# Altium PCB Copy of DIOT_temperature_logger.PcbDoc (part 2 of 7)
Units mm, origin at the board's own origin, x right, y up, seen from the top; angles counter-clockwise.
Board outline 301.1 x 109.1 mm, 4 copper layers (TOP, MID1, MID2, BOT), stack 1.564 mm thick; 651 components, 619 nets, 2526 pads, 1345 vias.
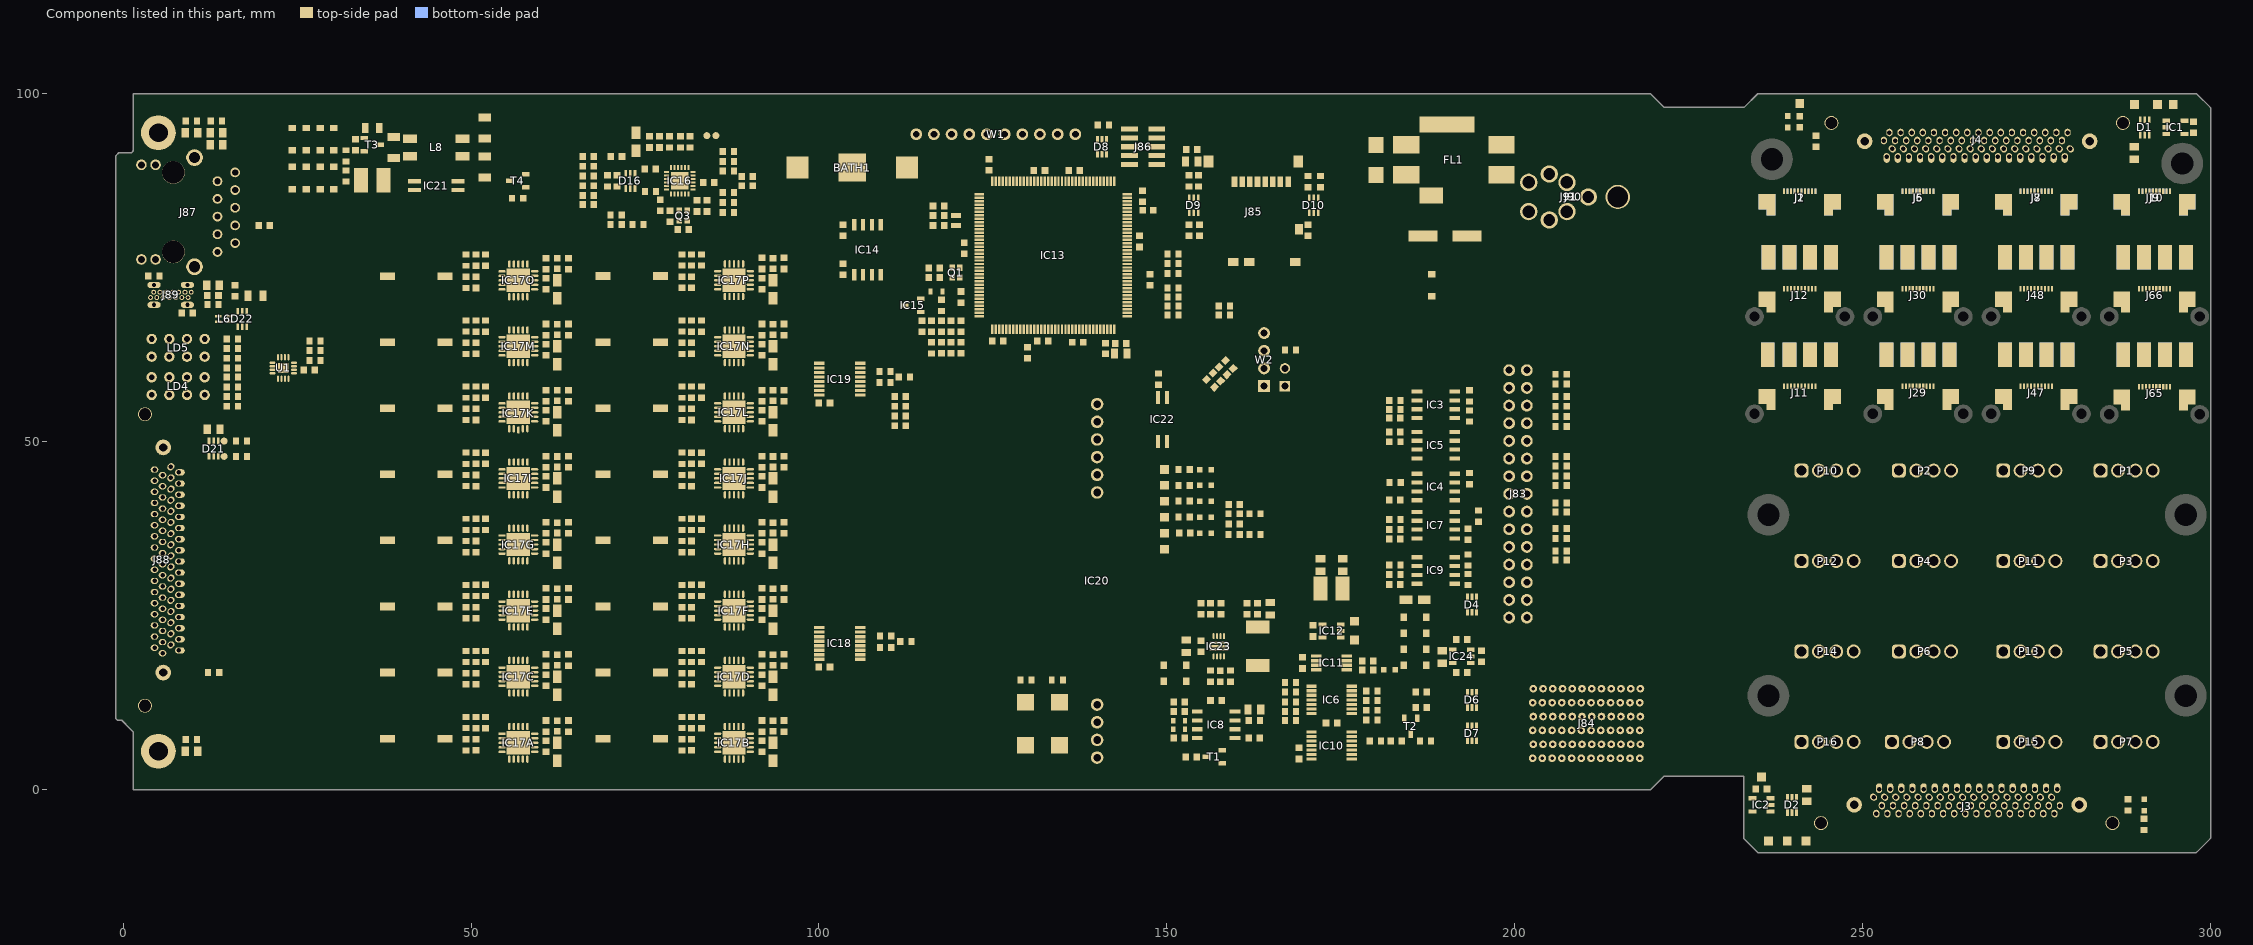
[diagram p4: the components of this part, seen from the top]

## Components (designator, comment, footprint, x,y, rotation, side; value= is the part's Value field where it differs from the comment) (continued)
J6 "FFC/FPC" MOLEX_52745-1097 258,86 r180 bottom
J7 "FFC/FPC" MOLEX_52745-1097 275,86 r0 top
J8 "FFC/FPC" MOLEX_52745-1097 275,86 r180 bottom
J9 "FFC/FPC" MOLEX_52745-1097 292,86 r0 top
J10 "FFC/FPC" MOLEX_52745-1097 292,86 r180 bottom
J11 "FFC/FPC" MOLEX_52745-1097 241,58 r0 top
J12 "FFC/FPC" MOLEX_52745-1097 241,72 r0 top
J13 "SMD Pad" R350X200 236.4,62.5 r270 bottom net-tie
J14 "SMD Pad" R350X200 236.5,76.5 r90 bottom net-tie
J15 "SMD Pad" R350X200 239.5,62.5 r270 bottom net-tie
J16 "SMD Pad" R350X200 239.5,76.5 r90 bottom net-tie
J17 "SMD Pad" R350X200 242.5,62.5 r270 bottom net-tie
J18 "SMD Pad" R350X200 242.5,76.5 r90 bottom net-tie
J19 "SMD Pad" R350X200 245.5,62.5 r270 bottom net-tie
J20 "SMD Pad" R350X200 245.5,76.5 r90 bottom net-tie
J21 "SMD Pad" R350X200 236.4,62.5 r90 top net-tie
J22 "SMD Pad" R350X200 236.5,76.5 r90 top net-tie
J23 "SMD Pad" R350X200 239.5,62.5 r90 top net-tie
J24 "SMD Pad" R350X200 239.5,76.5 r90 top net-tie
J25 "SMD Pad" R350X200 242.5,62.5 r90 top net-tie
J26 "SMD Pad" R350X200 242.5,76.5 r90 top net-tie
J27 "SMD Pad" R350X200 245.5,62.5 r90 top net-tie
J28 "SMD Pad" R350X200 245.5,76.5 r90 top net-tie
J29 "FFC/FPC" MOLEX_52745-1097 258,58 r0 top
J30 "FFC/FPC" MOLEX_52745-1097 258,72 r0 top
J31 "SMD Pad" R350X200 253.5,62.5 r270 bottom net-tie
J32 "SMD Pad" R350X200 253.5,76.5 r90 bottom net-tie
J33 "SMD Pad" R350X200 256.5,62.5 r270 bottom net-tie
J34 "SMD Pad" R350X200 256.5,76.5 r90 bottom net-tie
J35 "SMD Pad" R350X200 259.5,62.5 r270 bottom net-tie
J36 "SMD Pad" R350X200 259.5,76.5 r90 bottom net-tie
J37 "SMD Pad" R350X200 262.5,62.5 r270 bottom net-tie
J38 "SMD Pad" R350X200 262.5,76.5 r90 bottom net-tie
J39 "SMD Pad" R350X200 253.5,62.5 r90 top net-tie
J40 "SMD Pad" R350X200 253.5,76.5 r90 top net-tie
J41 "SMD Pad" R350X200 256.5,62.5 r90 top net-tie
J42 "SMD Pad" R350X200 256.5,76.5 r90 top net-tie
J43 "SMD Pad" R350X200 259.5,62.5 r90 top net-tie
J44 "SMD Pad" R350X200 259.5,76.5 r90 top net-tie
J45 "SMD Pad" R350X200 262.5,62.5 r90 top net-tie
J46 "SMD Pad" R350X200 262.5,76.5 r90 top net-tie
J47 "FFC/FPC" MOLEX_52745-1097 275,58 r0 top
J48 "FFC/FPC" MOLEX_52745-1097 275,72 r0 top
J49 "SMD Pad" R350X200 270.5,62.5 r270 bottom net-tie
J50 "SMD Pad" R350X200 270.5,76.5 r90 bottom net-tie
J51 "SMD Pad" R350X200 273.5,62.5 r270 bottom net-tie
J52 "SMD Pad" R350X200 273.5,76.5 r90 bottom net-tie
J53 "SMD Pad" R350X200 276.5,62.5 r270 bottom net-tie
J54 "SMD Pad" R350X200 276.5,76.5 r90 bottom net-tie
J55 "SMD Pad" R350X200 279.5,62.5 r270 bottom net-tie
J56 "SMD Pad" R350X200 279.5,76.5 r90 bottom net-tie
J57 "SMD Pad" R350X200 270.5,62.5 r90 top net-tie
J58 "SMD Pad" R350X200 270.5,76.5 r90 top net-tie
J59 "SMD Pad" R350X200 273.5,62.5 r90 top net-tie
J60 "SMD Pad" R350X200 273.5,76.5 r90 top net-tie
J61 "SMD Pad" R350X200 276.5,62.5 r90 top net-tie
J62 "SMD Pad" R350X200 276.5,76.5 r90 top net-tie
J63 "SMD Pad" R350X200 279.5,62.5 r90 top net-tie
J64 "SMD Pad" R350X200 279.5,76.5 r90 top net-tie
J65 "FFC/FPC" MOLEX_52745-1097 292,57.925 r0 top
J66 "FFC/FPC" MOLEX_52745-1097 292,72 r0 top
J67 "SMD Pad" R350X200 287.5,62.5 r90 bottom net-tie
J68 "SMD Pad" R350X200 287.5,76.5 r90 bottom net-tie
J69 "SMD Pad" R350X200 290.5,62.5 r90 bottom net-tie
J70 "SMD Pad" R350X200 290.5,76.5 r90 bottom net-tie
J71 "SMD Pad" R350X200 293.5,62.5 r90 bottom net-tie
J72 "SMD Pad" R350X200 293.5,76.5 r90 bottom net-tie
J73 "SMD Pad" R350X200 296.5,62.5 r90 bottom net-tie
J74 "SMD Pad" R350X200 296.5,76.5 r90 bottom net-tie
J75 "SMD Pad" R350X200 287.5,62.5 r270 top net-tie
J76 "SMD Pad" R350X200 287.5,76.5 r90 top net-tie
J77 "SMD Pad" R350X200 290.5,62.5 r270 top net-tie
J78 "SMD Pad" R350X200 290.5,76.5 r90 top net-tie
J79 "SMD Pad" R350X200 293.5,62.5 r270 top net-tie
J80 "SMD Pad" R350X200 293.5,76.5 r90 top net-tie
J81 "SMD Pad" R350X200 296.5,62.5 r270 top net-tie
J82 "SMD Pad" R350X200 296.5,76.5 r90 top net-tie
J83 "Header 30" 3M_N2530-6002RB 200.5,42.5 r270 top locked
J84 "AirMax VS" AMPHENOL_10052825-101LF 210.35,9.5 r90 top locked
J85 "microSD" MOLEX_502570-0893 163.6,87.4 r0 top locked
J86 "Header 10" HARWIN_M50-3600542 146.6,92.4 r90 top
J87 "RJ45" ABRACON_ARJM11C7-114-BA-EW2 7.2,83 r270 top locked
J88 "DNP" MOLEX_71430-0013 6.25,33 r90 top
J89 "USB 2.0" KYCON_KUSBX-SL-CS1N14-B 6.63,71.11 r270 top
J90 "Mini-Fit Jr.™" MOLEX_39-30-0040 204.791,85.185 r270 top
J91 "Jack" SWITCHCRAFT_L712RA 204.997,81.885 r180 top
JP1 "1798942 (goldpin 2x 2.54)" jump 167,58 r180 top locked
L1 "220R@100MHz" INDC1608X95N 117.6,63.5 r90 top
L2 "220R@100MHz" INDC1608X95N 117.6,66.6 r270 top
L3 "220R@100MHz" INDC1608X95N 77.075,93.1 r270 top
L4A "220R@100MHz" INDC1608X95N 64,9.125 r90 top (schematic designator L4)
L4B "220R@100MHz" INDC1608X95N 95,9.125 r90 top (schematic designator L4)
L4C "220R@100MHz" INDC1608X95N 64,18.625 r90 top (schematic designator L4)
L4D "220R@100MHz" INDC1608X95N 95,18.625 r90 top (schematic designator L4)
L4E "220R@100MHz" INDC1608X95N 64,28.125 r90 top (schematic designator L4)
L4F "220R@100MHz" INDC1608X95N 95,28.125 r90 top (schematic designator L4)
L4G "220R@100MHz" INDC1608X95N 64,37.625 r90 top (schematic designator L4)
L4H "220R@100MHz" INDC1608X95N 95,37.625 r90 top (schematic designator L4)
L4I "220R@100MHz" INDC1608X95N 64,47.125 r90 top (schematic designator L4)
L4J "220R@100MHz" INDC1608X95N 95,47.125 r90 top (schematic designator L4)
L4K "220R@100MHz" INDC1608X95N 64,56.625 r90 top (schematic designator L4)
L4L "220R@100MHz" INDC1608X95N 95,56.625 r90 top (schematic designator L4)
L4M "220R@100MHz" INDC1608X95N 64,66.125 r90 top (schematic designator L4)
L4N "220R@100MHz" INDC1608X95N 95,66.125 r90 top (schematic designator L4)
L4O "220R@100MHz" INDC1608X95N 64,75.6 r90 top (schematic designator L4)
L4P "220R@100MHz" INDC1608X95N 95,75.625 r90 top (schematic designator L4)
L5 "220R@100MHz" INDC1608X95N 12.9,71 r180 top
L6 "90R@100MHz" IND_MURATA_DLW21S 14.5,67.65 r0 top
L7 "10uH" IND_MURATA-PS_8400 35.8,87.6 r0 top
L8 "2x1mH" IND_WURTH_WE-SL2 45,92.3 r0 top
L9 "10uH" IND_MURATA-PS_8400 173.7,28.9 r0 top
L10 "1.5uH" IND_TDK_SPM6530 163.1,20.6 r90 top
LD1 "Green" LED_KINGBRIGHT_KPH-1608CGCK 239.3,96 r270 top
LD2 "Green" LED_KINGBRIGHT_KPH-1608CGCK 290.5,-2.2 r270 top
LD3 "Red" LED_KINGBRIGHT_KPH-1608SURCK 182,17.2 r0 top
LD4 "Green/Green/HeRed/HeRed" LED_BIVAR_H485CHHGGDL 7.9,58 r0 top
LD5 "Green/Green/HeRed/HeRed" LED_BIVAR_H485CHHGGDL 7.9,63.5 r0 top
LD6 "Green" LED_KINGBRIGHT_KPH-1608CGCK 155.6,46 r180 top
LD7 "Green" LED_KINGBRIGHT_KPH-1608CGCK 155.6,36.85 r180 top
LD8 "Green" LED_KINGBRIGHT_KPH-1608CGCK 155.6,43.75 r180 top
LD9 "Green" LED_KINGBRIGHT_KPH-1608CGCK 155.6,41.45 r180 top
LD10 "Green" LED_KINGBRIGHT_KPH-1608CGCK 155.6,39.15 r180 top
P1 "691382000004" 691382000004 288,46 r0 top
P2 "691382000004" 691382000004 259,46 r0 top
P3 "691382000004" 691382000004 288,33 r0 top
P4 "691382000004" 691382000004 259,33 r0 top
P5 "691382000004" 691382000004 288,20 r0 top
P6 "691382000004" 691382000004 259,20 r0 top
P7 "691382000004" 691382000004 288,7 r0 top
P8 "691382000004" 691382000004 258,7 r0 top locked
P9 "691382000004" 691382000004 274,46 r0 top
P10 "691382000004" 691382000004 245,46 r0 top
P11 "691382000004" 691382000004 274,33 r0 top
P12 "691382000004" 691382000004 245,33 r0 top
P13 "691382000004" 691382000004 274,20 r0 top
P14 "691382000004" 691382000004 245,20 r0 top
P15 "691382000004" 691382000004 274,7 r0 top
P16 "691382000004" 691382000004 245,7 r0 top locked
Q1 "25MHz" XTAL_TXC_8Y 119.7,74.3 r0 top
Q2 "32.768kHz" XTAL_ABRACON_ABS06 119.7,81.8 r90 top
Q3 "25MHz" XTAL_TXC_8Y 80.5,82.5 r0 top
R1 "1k" RESC1608X55N 241,96 r90 top
R2 "0" RESC1608X55N 288.175,-2.2 r90 top
R3 "0" RESC1608X55N 243.325,93.2 r270 top
R4 "1k" RESC1608X55N 290.5,-5 r270 top
R5 "0" RESC1608X55N 206.7,59.7 r180 top
R6 "0" RESC1608X55N 206.7,58.3 r180 top
R7 "100" RESC1608X55N 193.5,53.7 r90 top
R8 "0" RESC1608X55N 206.7,56.5 r180 top
R9 "100" RESC1608X55N 182.8,54.665 r0 top
R10 "0" RESC1608X55N 206.7,55.1 r180 top
R11 "100" RESC1608X55N 193.5,56.6 r90 top
R12 "0" RESC1608X55N 206.7,53.6 r180 top
R13 "100" RESC1608X55N 182.8,55.935 r0 top
R14 "0" RESC1608X55N 206.7,52.2 r180 top
R15 "0" RESC1608X55N 206.7,47.9 r180 top
R16 "0" RESC1608X55N 206.7,46.5 r180 top
R17 "0" RESC1608X55N 206.7,45.1 r180 top
R18 "0" RESC1608X55N 206.7,43.7 r180 top
R19 "0" RESC1608X55N 206.7,41.2 r180 top
R20 "0" RESC1608X55N 206.7,39.9 r180 top
R21 "100" RESC1608X55N 193.5,44.7 r90 top
R22 "100" RESC1608X55N 182.835,44.135 r0 top
R23 "0" RESC1608X55N 206.7,37.5 r180 top
R24 "0" RESC1608X55N 206.7,36.1 r180 top
R25 "0" RESC1608X55N 206.7,34.3 r180 top
R26 "0" RESC1608X55N 206.7,33 r180 top
R27 "100" RESC1608X55N 182.8,50 r0 top
R28 "10k" RESC1608X55N 167.8,14 r180 top
R29 "100" RESC1608X55N 193.3,36.7 r90 top
R30 "10k" RESC1608X55N 167.8,9.9 r0 top
R31 "100" RESC1608X55N 182.8,37.4 r0 top
R32 "0" RESC1608X55N 151.8,7.4 r0 top
R33 "0" RESC1608X55N 153.525,4.7 r180 top
R34 "100" RESC1608X55N 194.8,39.3 r90 top
R35 "2k7" RESC1608X55N 162.6,9.9 r180 top
R36 "100" RESC1608X55N 182.8,38.8 r0 top
R37 "10k" RESC1608X55N 179.5,11.4 r0 top
R38 "10k" RESC1608X55N 179.5,10 r0 top
R39 "10k" RESC1608X55N 151.8,12.6 r180 top
R40 "10k" RESC1608X55N 167.8,11.2 r0 top
R41 "100" RESC1608X55N 193.3,30.2 r90 top
R42 "100" RESC1608X55N 182.8,30.9 r0 top
R43 "2k7" RESC1608X55N 167.8,15.4 r0 top
R44 "100" RESC1608X55N 193.3,33 r90 top
R45 "100" RESC1608X55N 182.8,32.3 r0 top
R46 "10k" RESC1608X55N 179.5,12.8 r180 top
R47 "33" RESC1608X55N 179.5,14.2 r180 top
R48 "33" RESC1608X55N 167.8,12.6 r0 top
R49 "33" RESC1608X55N 186.6,14 r180 top
R50 "100" RESC1608X55N 180,7 r180 top
R51 "100" RESC1608X55N 183,7 r180 top
R52 "33" RESC1608X55N 187.2,7 r180 top
R53 "33" RESC1608X55N 186.6,11.8 r180 top
R54 "49k9" RESC1608X55N 178.9,18.5 r0 top
R55 "1k" RESC1608X55N 178.9,17.2 r0 top
R56 "10k" RESC1608X55N 167.8,63.2 r180 top
R57 "10k" RESC1608X55N 162.7,36.65 r0 top
R58 "2k7" RESC1608X55N 159.7,36.65 r0 top
R59 "2k7" RESC1608X55N 150.9,68.2 r0 top
R60 "2k7" RESC1608X55N 150.9,69.5 r0 top
R61 "2k7" RESC1608X55N 150.9,70.8 r0 top
R62 "2k7" RESC1608X55N 150.9,72.1 r0 top
R63 "2k7" RESC1608X55N 162.7,39.65 r0 top
R64 "10k" RESC1608X55N 130,62.8 r270 top
R65 "10k" RESC1608X55N 159.7,39.65 r0 top
R66 "10k" RESC1608X55N 154.6,87.5 r90 top
R67 "10k" RESC1608X55N 153.2,87.5 r90 top
R68 "10k" RESC1608X55N 153.2,80.4 r270 top
R69 "10k" RESC1608X55N 170.3,80.4 r270 top
R70 "10k" RESC1608X55N 172.1,87.4 r90 top
R71 "10k" RESC1608X55N 170.3,87.4 r90 top
R72 "10k" RESC1608X55N 154.7,80.4 r270 top
R73 "10k" RESC1608X55N 27.575,61.7 r180 top
R74 "10k" RESC1608X55N 27.575,63.1 r180 top
R75 "10k" RESC1608X55N 27.575,64.5 r180 top
R76 "10k" RESC1608X55N 103.5,74.8 r90 top
R77 "10k" RESC1608X55N 140.9,95.5 r180 top
R78 "1k" RESC1608X55N 15.7,55.1 r180 top
R79 "10k" RESC1608X55N 17,47.9 r180 top
R80 "10k" RESC1608X55N 17,50.1 r180 top
R81 "1k" RESC1608X55N 15.7,56.5 r180 top
R82 "1k" RESC1608X55N 15.7,57.9 r180 top
R83 "1k" RESC1608X55N 15.7,59.3 r180 top
R84 "1k" RESC1608X55N 15.7,60.6 r180 top
R85 "1k" RESC1608X55N 15.7,62 r180 top
R86 "33" RESC1608X55N 116.2,63.5 r270 top
R87 "1k" RESC1608X55N 15.7,63.4 r180 top
R88 "1k" RESC1608X55N 15.7,64.8 r180 top
R89 "10k" RESC1608X55N 117.6,69.6 r270 top
R90 "100" RESC1608X55N 158.3,68.2 r0 top
R91 "100" RESC1608X55N 158.3,69.5 r0 top
R92 "10k" RESC1608X55N 87,90.3 r0 top
R93 "10k" RESC1608X55N 87,82.975 r0 top
R94 "10k" RESC1608X55N 89.7,86.8 r0 top
R95 "442" RESC1608X55N 70.85,82.6 r0 top
R96 "33" RESC1608X55N 66.85,88.2 r180 top
R97 "33" RESC1608X55N 66.85,89.6 r180 top
R98 "33" RESC1608X55N 87,85.8 r180 top
R99 "0" RESC1608X55N 13.4,96.1 r180 top
R100 "33" RESC1608X55N 87,84.4 r180 top
R101 "33" RESC1608X55N 66.85,85.4 r180 top
R102 "10k" RESC1608X55N 89.7,88.1 r180 top
R103 "33" RESC1608X55N 66.85,86.8 r180 top
R104 "12k1" RESC1608X55N 75.8,86 r180 top
R105 "33" RESC1608X55N 87,88.9 r180 top
R106 "10k" RESC1608X55N 70.85,81.2 r0 top
R107 "1k5" RESC1608X55N 87,91.7 r180 top
R108 "10k" RESC1608X55N 80.1,93.1 r270 top
R109 "33" RESC1608X55N 81.5,93.1 r270 top
R110 "10k" RESC1608X55N 78.5,93.1 r270 top
R111 "442" RESC1608X55N 74,81.2 r0 top
R112 "49k9" RESC1608X55N 69.6,87.5 r90 top
R113 "49k9" RESC1608X55N 66.85,84.1 r180 top
R114 "49k9" RESC1608X55N 71,87.5 r270 top
R115 "49k9" RESC1608X55N 66.85,91 r180 top
R116A "442" RESC1608X55N 50.7,9.625 r270 top (schematic designator R116)
R116B "442" RESC1608X55N 81.7,9.625 r270 top (schematic designator R116)
R116C "442" RESC1608X55N 50.7,19.125 r270 top (schematic designator R116)
R116D "442" RESC1608X55N 81.7,19.125 r270 top (schematic designator R116)
R116E "442" RESC1608X55N 50.7,28.625 r270 top (schematic designator R116)
R116F "442" RESC1608X55N 81.7,28.625 r270 top (schematic designator R116)
R116G "442" RESC1608X55N 50.7,38.125 r270 top (schematic designator R116)
R116H "442" RESC1608X55N 81.7,38.125 r270 top (schematic designator R116)
R116I "442" RESC1608X55N 50.7,47.625 r270 top (schematic designator R116)
R116J "442" RESC1608X55N 81.7,47.625 r270 top (schematic designator R116)
R116K "442" RESC1608X55N 50.7,57.125 r270 top (schematic designator R116)
R116L "442" RESC1608X55N 81.7,57.125 r270 top (schematic designator R116)
R116M "442" RESC1608X55N 50.7,66.625 r270 top (schematic designator R116)
R116N "442" RESC1608X55N 81.7,66.625 r270 top (schematic designator R116)
R116O "442" RESC1608X55N 50.7,76.1 r270 top (schematic designator R116)
R116P "442" RESC1608X55N 81.7,76.125 r270 top (schematic designator R116)
R117A "22k" RESC1608X64N 49.3,9.625 r270 top (schematic designator R117)
R117B "22k" RESC1608X64N 80.3,9.625 r270 top (schematic designator R117)
R117C "22k" RESC1608X64N 49.3,19.125 r270 top (schematic designator R117)
R117D "22k" RESC1608X64N 80.3,19.125 r270 top (schematic designator R117)
R117E "22k" RESC1608X64N 49.3,28.625 r270 top (schematic designator R117)
R117F "22k" RESC1608X64N 80.3,28.625 r270 top (schematic designator R117)
R117G "22k" RESC1608X64N 49.3,38.125 r270 top (schematic designator R117)
R117H "22k" RESC1608X64N 80.3,38.125 r270 top (schematic designator R117)
R117I "22k" RESC1608X64N 49.3,47.625 r270 top (schematic designator R117)
R117J "22k" RESC1608X64N 80.3,47.625 r270 top (schematic designator R117)
R117K "22k" RESC1608X64N 49.3,57.125 r270 top (schematic designator R117)
R117L "22k" RESC1608X64N 80.3,57.125 r270 top (schematic designator R117)
R117M "22k" RESC1608X64N 49.3,66.625 r270 top (schematic designator R117)
R117N "22k" RESC1608X64N 80.3,66.625 r270 top (schematic designator R117)
R117O "22k" RESC1608X64N 49.3,76.1 r270 top (schematic designator R117)
R117P "22k" RESC1608X64N 80.3,76.125 r270 top (schematic designator R117)
R118A "3k92" RESC1608X55N 52.1,9.625 r270 top (schematic designator R118)
R118B "3k92" RESC1608X55N 83.1,9.625 r270 top (schematic designator R118)
R118C "3k92" RESC1608X55N 52.1,19.125 r270 top (schematic designator R118)
R118D "3k92" RESC1608X55N 83.1,19.125 r270 top (schematic designator R118)
R118E "3k92" RESC1608X55N 52.1,28.625 r270 top (schematic designator R118)
R118F "3k92" RESC1608X55N 83.1,28.625 r270 top (schematic designator R118)
R118G "3k92" RESC1608X55N 52.1,38.125 r270 top (schematic designator R118)
R118H "3k92" RESC1608X55N 83.1,38.125 r270 top (schematic designator R118)
R118I "3k92" RESC1608X55N 52.1,47.625 r270 top (schematic designator R118)
R118J "3k92" RESC1608X55N 83.1,47.625 r270 top (schematic designator R118)
R118K "3k92" RESC1608X55N 52.1,57.125 r270 top (schematic designator R118)
R118L "3k92" RESC1608X55N 83.1,57.125 r270 top (schematic designator R118)
R118M "3k92" RESC1608X55N 52.1,66.625 r270 top (schematic designator R118)
R118N "3k92" RESC1608X55N 83.1,66.625 r270 top (schematic designator R118)
R118O "3k92" RESC1608X55N 52.1,76.1 r270 top (schematic designator R118)
R118P "3k92" RESC1608X55N 83.1,76.125 r270 top (schematic designator R118)
R119A "10M" RESC1608X55N 49.3,6.425 r270 top (schematic designator R119)
R119B "10M" RESC1608X55N 80.3,6.425 r270 top (schematic designator R119)
R119C "10M" RESC1608X55N 49.3,15.925 r270 top (schematic designator R119)
R119D "10M" RESC1608X55N 80.3,15.925 r270 top (schematic designator R119)
R119E "10M" RESC1608X55N 49.3,25.425 r270 top (schematic designator R119)
R119F "10M" RESC1608X55N 80.3,25.425 r270 top (schematic designator R119)
R119G "10M" RESC1608X55N 49.3,34.925 r270 top (schematic designator R119)
R119H "10M" RESC1608X55N 80.3,34.925 r270 top (schematic designator R119)
R119I "10M" RESC1608X55N 49.3,44.425 r270 top (schematic designator R119)
R119J "10M" RESC1608X55N 80.3,44.425 r270 top (schematic designator R119)
R119K "10M" RESC1608X55N 49.3,53.925 r270 top (schematic designator R119)
R119L "10M" RESC1608X55N 80.3,53.925 r270 top (schematic designator R119)
R119M "10M" RESC1608X55N 49.3,63.425 r270 top (schematic designator R119)
R119N "10M" RESC1608X55N 80.3,63.425 r270 top (schematic designator R119)
R119O "10M" RESC1608X55N 49.3,72.9 r270 top (schematic designator R119)
R119P "10M" RESC1608X55N 80.3,72.925 r270 top (schematic designator R119)
R120 "0" RESC1608X55N 9.8,96.1 r180 top
R121 "0" RESC1608X55N 9.8,7.2 r180 top
R122 "0" RESC1608X55N 13,16.8 r0 top
R123 "0" RESC1608X55N 109.6,22.05 r180 top
R124 "0" RESC1608X55N 109.5,60.1 r180 top
R125 "0" RESC1608X55N 112.5,21.3 r180 top
R126 "0" RESC1608X55N 112.3,59.3 r180 top
R127 "0" RESC1608X55N 109.6,20.4 r180 top
R128 "0" RESC1608X55N 109.5,58.5 r180 top
R129 "0" RESC1608X55N 158.1,60.2 r315 top
R130 "0" RESC1608X55N 157.2,59.3 r315 top
R131 "0" RESC1608X55N 156.3,58.4 r135 top
R132 "0" RESC1608X55N 159,61.1 r315 top
R133 "0" RESC1608X55N 111.7,53.7 r0 top
R134 "0" RESC1608X55N 111.7,55.1 r0 top
R135 "0" RESC1608X55N 111.7,56.5 r0 top
R136 "0" RESC1608X55N 111.7,52.3 r0 top
R137 "5k1" RESC1608X55N 4.4,73.8 r0 top
R138 "5k1" RESC1608X55N 9.2,68.5 r0 top
R139 "22k" RESC1608X64N 150.9,75.6 r180 top
R140 "0" RESC1608X55N 12.9,69.7 r0 top
R141 "10k" RESC1608X55N 150.9,77 r180 top
R142 "10k" RESC1608X55N 150.9,74.2 r0 top
R143 "82k" RESC1608X55N 32,88.2 r270 top
R144 "442" RESC1608X55N 56.7,85 r0 top
R145 "82k" RESC1608X55N 129.775,15.775 r180 top
R146 "22k" RESC1608X64N 134.275,15.775 r180 top
R147 "10" RESC2012X60N 35.8,95.1 r0 top
R148 "10k" RESC1608X55N 148.8,59 r90 top
R149 "22k" RESC1608X64N 32,91.1 r270 top
R150 "82k" RESC1608X55N 33.4,92.7 r90 top
R151 "10k" RESC1608X55N 156.3,16.3 r270 top
R152 "10k" RESC1608X55N 154.9,26 r90 top
R153 "38k3" RESC1608X55N 157.8,26 r90 top
R154 "49k9" RESC1608X55N 159.2,16.3 r90 top
R155 "12k1" RESC1608X55N 156.3,26 r90 top
R156 "12k1" RESC1608X55N 152.5,46 r0 top
R157 "12k1" RESC1608X55N 152.6,36.85 r0 top
R158 "12k1" RESC1608X55N 152.5,43.7 r0 top
R159 "1k" RESC1608X55N 152.5,41.45 r180 top
R160 "1k" RESC1608X55N 152.5,39.15 r180 top
ST1 "SCHROFF_PANEL_3U_4HP-Thermostat" "SCHROFF_PANEL_3HP_4U - Thermostat" 5.056,5.512 r0 top
SW1A "Switch" SW_OMRON_A6SN-1101 42.1,7.325 r0 top (schematic designator SW1)
SW1B "Switch" SW_OMRON_A6SN-1101 73.1,7.325 r0 top (schematic designator SW1)
SW1C "Switch" SW_OMRON_A6SN-1101 42.1,16.825 r0 top (schematic designator SW1)
SW1D "Switch" SW_OMRON_A6SN-1101 73.1,16.825 r0 top (schematic designator SW1)
SW1E "Switch" SW_OMRON_A6SN-1101 42.1,26.325 r0 top (schematic designator SW1)
SW1F "Switch" SW_OMRON_A6SN-1101 73.1,26.325 r0 top (schematic designator SW1)
SW1G "Switch" SW_OMRON_A6SN-1101 42.1,35.825 r0 top (schematic designator SW1)
SW1H "Switch" SW_OMRON_A6SN-1101 73.1,35.825 r0 top (schematic designator SW1)
SW1I "Switch" SW_OMRON_A6SN-1101 42.1,45.325 r0 top (schematic designator SW1)
SW1J "Switch" SW_OMRON_A6SN-1101 73.1,45.325 r0 top (schematic designator SW1)
SW1K "Switch" SW_OMRON_A6SN-1101 42.1,54.825 r0 top (schematic designator SW1)
SW1L "Switch" SW_OMRON_A6SN-1101 73.1,54.825 r0 top (schematic designator SW1)
SW1M "Switch" SW_OMRON_A6SN-1101 42.1,64.325 r0 top (schematic designator SW1)
SW1N "Switch" SW_OMRON_A6SN-1101 73.1,64.325 r0 top (schematic designator SW1)
SW1O "Switch" SW_OMRON_A6SN-1101 42.1,73.8 r0 top (schematic designator SW1)
SW1P "Switch" SW_OMRON_A6SN-1101 73.1,73.825 r0 top (schematic designator SW1)
T1 "BSS138LT1G" SOT95P240X110-3N 156.825,4.7 r180 top
T2 "BSS138LT1G" SOT95P240X110-3N 185.1,9.1 r270 top
T3 "FDN86246" SOT95P237X112-3N 35.8,92.7 r0 top
T4 "BSS138LT1G" SOT95P240X110-3N 56.7,87.5 r180 top
TP1 "Test Point" TPS127 294.7,98.5 r180 top net-tie
TP2 "Test Point" TPS127 289.1,98.5 r180 top net-tie
TP3 "Test Point" TPS127 241,98.6 r180 top net-tie
TP4 "Test Point" TPS127 292.406,98.5 r0 top net-tie
TP5 "Test Point" TPS127 236.5,-7.4 r0 top net-tie
TP6 "Test Point" TPS127 241.9,-7.4 r0 top net-tie
TP7 "Test Point" TPS127 239.194,-7.4 r0 top net-tie
TP8 "Test Point" TPS127 235.5,1.8 r0 top net-tie
TP9 "Test Point" TPS127 177,24.2 r90 top
TP10 "Test Point" TPS127 177,21.5 r90 top
TP11 "Test Point" TPS127 149.7,46 r0 top
TP12 "Test Point" TPS127 149.7,36.85 r0 top
TP13 "Test Point" TPS127 149.7,43.75 r270 top
TP14 "Test Point" TPS127 149.7,41.45 r180 top
TP15 "Test Point" TPS127 149.7,39.15 r270 top
TP16 "Test Point" TPS127 149.7,34.55 r90 top
U1 "PCA9554A" HVQFN-16 23,60.6 r270 top
W1 "Header 10" SAMTEC_MTLW-110-07-L-S-250 136.86,94.2 r180 top
W2 "Header 4" SAMTEC_HTSW-104-23-L-S 164,58 r90 top locked
